# KiCad board PCB.kicad_pcb (continued)
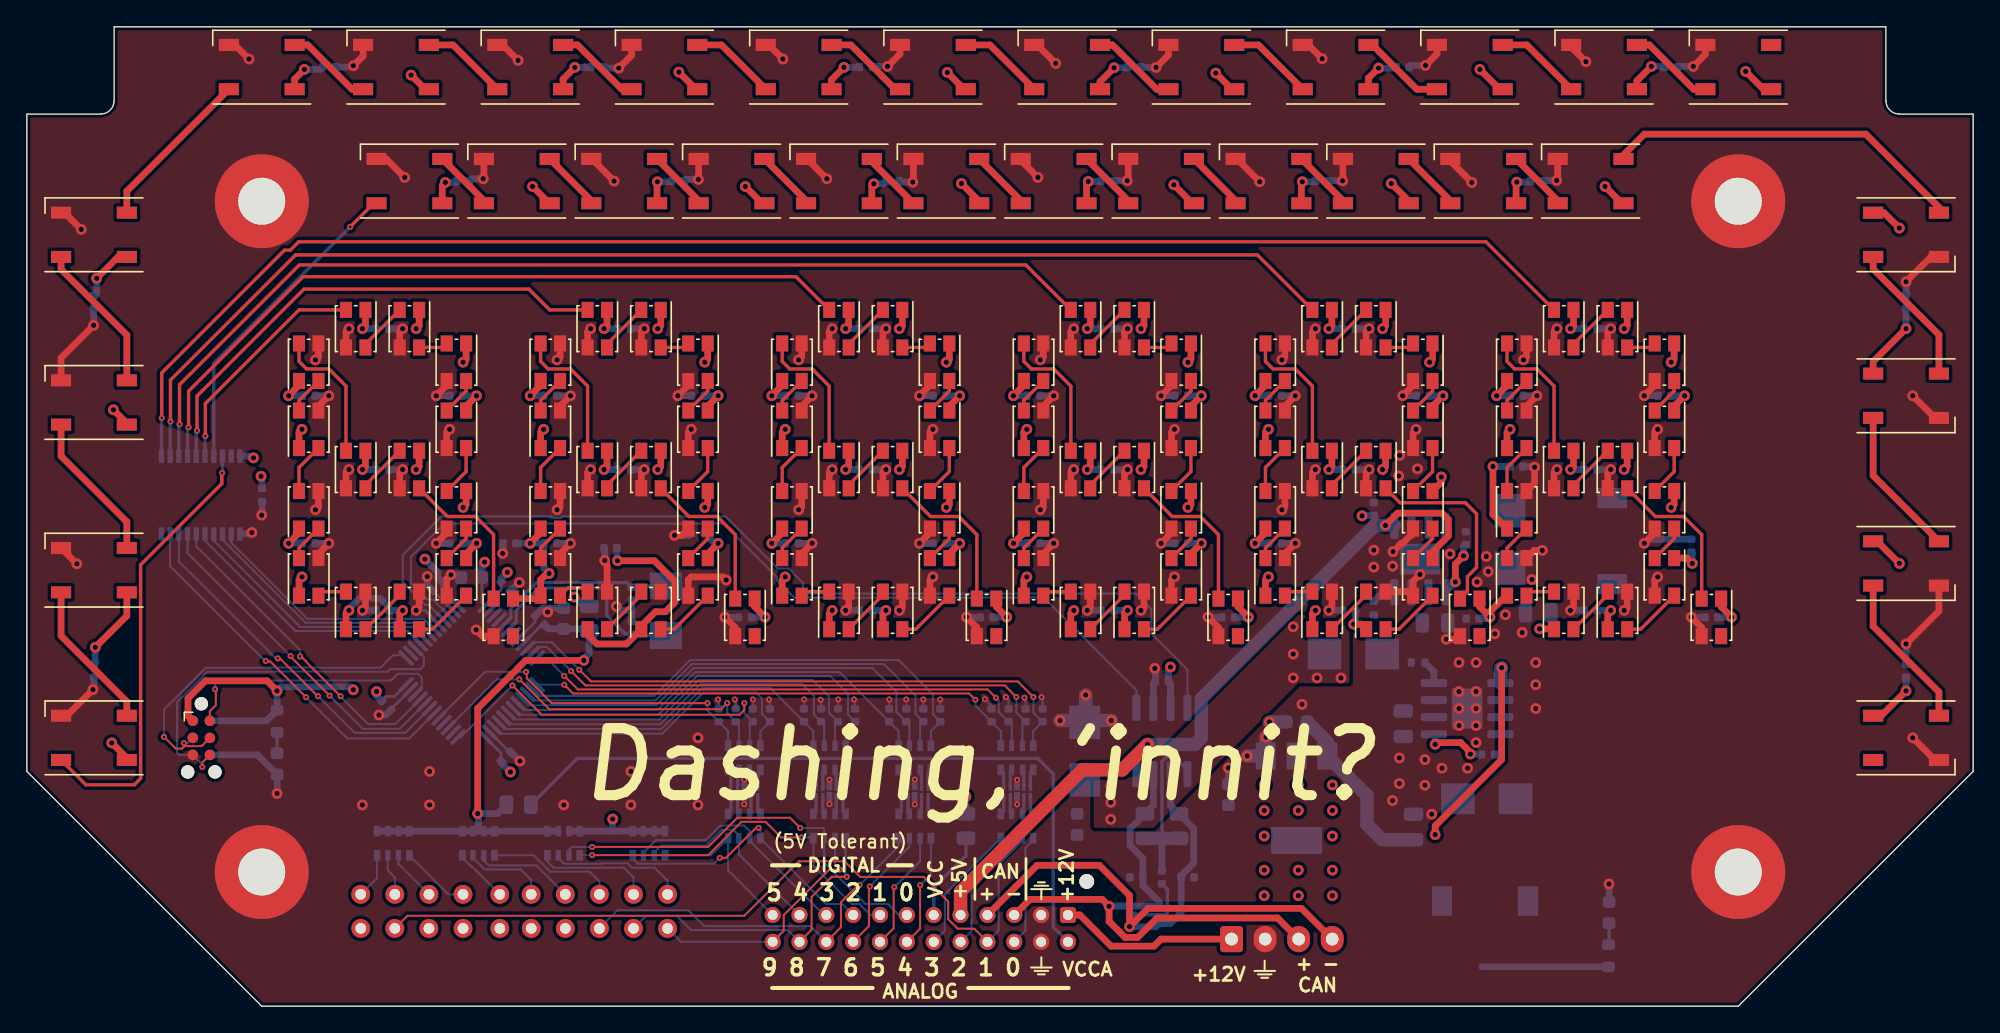
[diagram p0: board, top side]
## Routing (per net, layer and track width the routed paths; a pad name or vN(x,y) marks a point on that pad's centre or on a via; arc(x,y) is an arc through that point) (continued)
/IO/DIAL5_PIN: length 36.4
  Top w0.15: v2(64.63,8.87) 64.58,8.82 64.58,5.81 J2.16
  In2.Cu w0.15: J2.16 62.44,5.92 49.34,5.92 48.22,7.04 38.82,7.04 JP6.2
  Bottom w0.15: v2(64.63,8.87) 66.55,10.79 RN17.6
/IO/DIAL6_PIN: length 32.1
  Top w0.15: J2.18 62.74,5.97 62.74,8.86 v2(62.8,8.92)
  In2.Cu w0.15: JP7.2 41.04,6.72 48.12,6.72 49.22,5.62 60.74,5.62 J2.18
  Bottom w0.15: v2(62.8,8.92) 65.75,11.87 RN17.7
/IO/DIAL7_PIN: length 28.5
  Top w0.15: v2(62.04,9.02) 61.93,9.02 60.65,7.74 60.65,5.89 J2.20
  Bottom w0.15: RN17.8 64.95,11.94 v2(62.04,9.02) ; J2.20 58.39,5.97 50.46,5.97 49.28,7.14 44,7.14 JP8.2
/IO/DIAL8_PIN: length 23.4
  Top w0.15: v2(61.08,9.65) 59.97,9.65 58.46,8.14 58.46,5.7 J2.22
  Bottom w0.15: RN20.5 61,9.73 v2(61.08,9.65) ; J2.22 56.69,5.67 49.49,5.67 48.42,6.74 46.13,6.74 JP9.2
/IO/DIAL9_PIN: length 18.6
  Top w0.15: J2.24 56.39,5.62 56.39,6.79 59.78,10.18 v2(60.55,10.18)
  Bottom w0.15: JP10.2 48.73,4.8 J2.24 ; v2(60.55,10.18) 60.2,10.53 RN20.6
/Microcontroller/HSE_IN: length 15.9
  Bottom w0.25: 45.17,27.62 Y1.2 ; C15.1 44.61,27.72 43.21,29.12 43.21,30.9 42.93,31.17 38.15,31.17 36.46,29.49 36.46,28.64 U4.6
/Microcontroller/HSE_OUT: length 13.8
  Bottom w0.25: U4.5 36.06,28.95 36.06,29.65 37.99,31.58 44.71,31.58 C14.1 ; Y1.1 45.17,31.32
/WS2812/Digit 0/DP: length 11.8
  Top w0.25: D67.4 34.77,30.39 34.77,32.82 34.78,32.82 34.78,33.38 34.77,33.39 34.77,35.16 33.42,36.5 31.33,36.5 D62.2
/WS2812/Digit 1/DP: length 11.7
  Top w0.25: D52.4 52.78,35.15 51.42,36.5 49.33,36.5 D47.2
/WS2812/Digit 2/DP: length 11.7
  Top w0.25: D82.4 70.78,35.15 69.43,36.5 67.32,36.5 D77.2
/WS2812/Digit 3/DP: length 11.7
  Top w0.25: D97.4 88.78,35.15 87.43,36.5 85.32,36.5 D92.2
/WS2812/Digit 4/DP: length 14.4
  Top w0.25: D107.2 102.3,37.53 107.18,37.53 108,36.7 108,32.7 107.32,32.03 107.32,30.93 D112.4
/WS2812/Digit 5/DP: length 11.7
  Top w0.25: D127.4 124.78,35.15 123.43,36.5 121.32,36.5 D122.2
/WS2812/Shift Lights/DATA_IN: length 12.3
  Top w0.5: D18.2 7.45,60.75 D26.4
/WS2812/Tachometer/DATA_OUT: length 27.1
  Top w0.5: D17.2 118.95,63.45 120.5,65 137,65 142.45,59.55 D22.4
BTN0: length 28.3
  Bottom w0.15: 36.01,21.02 47.19,21.02 50.17,24 57.77,24 58.63,23.14 58.63,21.74 C35.1 59.4,20.97 RN21.2
BTN1: length 26.6
  Bottom w0.15: 35.66,20.66 47.26,20.66 50.3,23.7 55.4,23.7 C34.1 58.6,20.5 RN21.1
BTN2: length 25
  Bottom w0.15: RN24.4 54.65,20.5 C41.1 54.77,21.79 54.77,22.92 54.29,23.4 50.42,23.4 47.33,20.31 35.3,20.31
BTN3: length 28
  Top w0.15: v2(53.45,22.59) 53.45,22.08 53.09,21.72 38.36,21.72 v2(36.18,23.91)
  Bottom w0.15: RN24.3 53.85,20.97 C40.1 53.45,21.84 v2(53.45,22.59) ; U4.25 32.34,20.07 v2(36.18,23.91)
BTN4: length 26.3
  Top w0.15: v2(52.18,22.59) 51.72,22.14 38.91,22.14 v2(36.69,24.36)
  Bottom w0.15: v2(52.18,22.59) 52.18,21.84 C39.1 53.05,20.97 RN24.2 ; 31.86,21.21 35.01,24.36 v2(36.69,24.36)
BTN5: length 26.4
  Top w0.15: v2(37.19,24.92) 37.24,24.87 37.24,24.44 39.1,22.59 v2(50.71,22.59)
  Bottom w0.15: RN24.1 52.25,20.5 C38.1 50.71,22.04 v2(50.71,22.59) ; v2(37.19,24.92) 34.15,24.92 30.72,21.49
CAN+: length 39.9
  Top w0.5: J2.5 74.73,7.96 80.12,7.96 v1(80.63,7.45) 80.63,6.32 81.82,5.12 82.75,5.12 84.2,6.57 93.18,6.57 J4.3
  Bottom w0.5: U5.7 83.93,14.96 R5.1 82.19,13.23 82.19,11.97 83.14,11.03 C16.2 83.14,9 84.34,7.8 D7.1 80.65,7.47 v1(80.63,7.45)
CAN-: length 47.7
  Top w0.5: J4.4 94.96,7.29 83.52,7.29 v1(82.15,5.92) 82.15,8.25 79.9,10.5 75.27,10.5 J2.7
  Bottom w0.5: U5.6 85.2,14.96 R6.2 86.94,13.23 86.94,10.67 85.99,9.72 C19.1 85.99,6.97 85.19,6.17 D7.2 84.1,5.92 v1(82.15,5.92)
CANRX: length 75.2
  Bottom w0.15: U5.4 86.47,25.08 83.78,27.77 83.78,29.61 82.63,30.75 57.81,30.75 57.81,31.57 56.76,32.62 55.94,32.62 52.05,36.51 39.89,36.51 39.76,36.38 39.24,36.38 39.11,36.51 30.89,36.51 28,33.62 28,31.6 29.7,29.9 29.95,29.9 U4.45
CANTX: length 67.4
  Bottom w0.15: U4.46 30.25,30.31 29.83,30.31 28.61,31.53 28.61,33.49 31.09,35.97 51.89,35.97 55.88,31.98 55.88,31.74 57.17,30.45 75.78,30.45 82.66,23.56 U5.1
DIAL0: length 43.1
  Top w0.15: v2(41.16,25.08) 42.02,24.21 73.82,24.21 v2(74.99,23.04)
  Bottom w0.15: 37.78,27.13 39.1,27.13 v2(41.16,25.08) ; RN15.4 74.97,20.5 C29.1 74.99,21.89 v2(74.99,23.04)
DIAL1: length 41.2
  Top w0.15: v2(40.55,24.97) 41.61,23.91 72.85,23.91 v2(73.72,23.04)
  Bottom w0.15: v2(73.72,23.04) 73.72,21.89 C28.1 74.17,20.97 RN15.3 ; v2(40.55,24.97) 38.74,26.78 38.13,26.78
DIAL2: length 39.5
  Top w0.15: v2(72.2,22.99) 71.58,23.61 41.05,23.61 v2(40.04,24.62)
  Bottom w0.15: v2(72.2,22.99) 72.4,22.79 72.4,21.94 C27.1 73.37,20.97 RN15.2 ; U4.12 38.7,25.96 v2(40.04,24.62)
DIAL3: length 37.3
  Top w0.15: v2(70.67,22.84) 70.2,23.31 40.69,23.31 v2(40.04,23.96)
  Bottom w0.15: v2(70.67,22.84) 70.67,22.4 C26.1 72.57,20.5 RN15.1 ; U4.13 v2(40.04,23.96)
DIAL4: length 35.9
  Bottom w0.15: RN18.4 67.35,20.5 C33.1 67.52,21.74 67.52,23.23 64.95,25.8 49.42,25.8 46.76,23.14 38.13,23.14
DIAL5: length 34.6
  Bottom w0.15: RN18.3 66.55,20.97 C32.1 66.2,21.79 66.2,23.15 63.85,25.5 49.54,25.5 46.83,22.78 37.78,22.78
DIAL6: length 33.7
  Bottom w0.15: RN18.2 65.75,20.97 C31.1 64.78,21.94 64.78,23.42 63,25.2 49.67,25.2 46.9,22.43 37.43,22.43
DIAL7: length 32
  Bottom w0.15: 37.07,22.08 46.97,22.08 49.79,24.9 60.55,24.9 C30.1 64.95,20.5 RN18.1
DIAL8: length 30.6
  Bottom w0.15: RN21.4 61,20.5 C37.1 61.17,21.74 61.17,23.29 59.86,24.6 49.92,24.6 47.04,21.72 36.72,21.72
DIAL9: length 29.2
  Bottom w0.15: RN21.3 60.2,20.97 C36.1 59.75,21.89 59.75,23.11 58.56,24.3 50.04,24.3 47.11,21.37 36.36,21.37
LED_DATA_0: length 33.4
  Top w0.25: D21.4 4.4,16.5 8,16.5 8.47,16.97 8.47,32.9 14.53,38.95 14.53,39.72 v2(14.55,39.75)
  Bottom w0.25: U3.18 14.58,39.78 v2(14.55,39.75)
LED_DATA_1: length 24
  Top w0.25: D3.4 25.85,59.85 v2(24.09,58.09)
  Bottom w0.25: v2(24.09,58.09) 13.92,47.92 U3.17
LED_DATA_2: length 17.3
  Top w0.25: v2(13.3,42.5) 13.3,44.92 20.28,51.9 D57.4
  Bottom w0.25: v2(13.3,42.5) 13.28,42.47 U3.16
LED_DATA_3: length 37.5
  Top w0.25: D42.4 38.95,51.9 37.4,53.45 20.65,53.45 12.67,45.47 v2(12.67,42.9)
  Bottom w0.25: U3.15 12.62,42.85 v2(12.67,42.9)
LED_DATA_3V3_0: length 18.5
  Bottom w0.15: 15.22,35.2 15.22,34.55 20.9,28.88 29.57,28.88 U4.43
LED_DATA_3V3_1: length 18.8
  Bottom w0.15: U4.42 29.16,28.58 20.78,28.58 14.58,34.78 U3.3
LED_DATA_3V3_2: length 19.3
  Bottom w0.15: U4.41 28.75,28.28 20.35,28.28 13.92,34.7 U3.4
LED_DATA_3V3_3: length 19.7
  Bottom w0.15: U4.40 28.34,27.97 20,27.97 13.28,34.7 U3.5
LED_DATA_3V3_4: length 24.2
  Top w0.15: v2(20.35,26.08) 20.42,26.08 20.8,25.7 20.8,25.67 v2(23.38,23.1)
  Bottom w0.15: U4.33 29.3,22.88 27.45,21.03 25.42,21.03 23.38,23.08 v2(23.38,23.1) ; U3.6 12.62,34.28 20.35,26.55 v2(20.35,26.08)
LED_DATA_3V3_5: length 25.4
  Top w0.15: v2(19.65,26.1) 19.65,26.03 19.7,25.97 19.72,25.97 v2(22.55,23.15)
  Bottom w0.15: v2(22.55,23.15) 25.03,20.67 27.79,20.67 U4.32 ; v2(19.65,26.1) 11.97,33.78 U3.7
LED_DATA_3V3_6: length 26.8
  Top w0.15: v2(21.7,23.1) 21.67,23.1 18.85,25.92 v2(18.7,25.92)
  Bottom w0.15: U3.8 11.33,33.15 18.55,25.92 v2(18.7,25.92) ; U4.31 28.19,20.38 24.42,20.38 v2(21.7,23.1)
LED_DATA_3V3_7: length 28.2
  Top w0.15: v2(17.8,25.72) 17.83,25.7 18.12,25.7 v2(20.8,23.03)
  Bottom w0.15: v2(20.8,23.03) 23.88,19.95 28.48,19.95 U4.30 ; v2(17.8,25.72) 17.75,25.72 10.67,32.8 U3.9
LED_DATA_4: length 57.2
  Top w0.25: D72.4 57.3,54.38 20.58,54.38 12.05,45.85 v2(12.05,43.15)
  Bottom w0.25: U3.14 11.97,43.08 v2(12.05,43.15)
LED_DATA_5: length 76.8
  Top w0.25: D87.4 74.43,55.25 20.3,55.25 11.38,46.33 v2(11.38,43.38)
  Bottom w0.25: v2(11.38,43.38) 11.33,43.33 U3.13
LED_DATA_6: length 96.3
  Top w0.25: v2(10.7,43.58) 10.7,46.67 20.03,56 91.68,56 D102.4
  Bottom w0.25: v2(10.7,43.58) 10.67,43.55 U3.12
LED_DATA_7: length 116.1
  Top w0.25: D117.4 108.7,56.97 20.25,56.97 19.62,56.35 19.19,56.35 10.05,47.21 v2(10.05,43.85)
  Bottom w0.25: v2(10.05,43.85) 10.03,43.83 U3.11
SWCLK: length 26.7
  Top w0.15: v2(11.7,19.61) 11.73,19.58 11.73,19.38 ; 11.73,19.38 11.55,19.2 11.1,19.2 v2(10.22,20.08) ; 11.73,19.38 13.02,19.38 J1.4
  Bottom w0.15: v2(10.22,20.08) 10.22,22.12 13.33,25.23 26.35,25.23 27.27,26.15 28.05,26.15 ; v2(11.7,19.61) 11.98,19.61 J3.4
SWDIO: length 24
  Top w0.15: v2(14.03,23.62) 14.08,23.58 14.08,22.42 13.64,21.98 J1.2
  Bottom w0.15: v2(14.03,23.62) 14.03,24.28 ; 14.03,24.28 13.57,24.28 11.97,22.67 11.97,21.66 J3.2 ; 14.03,24.28 27.13,24.28 27.63,24.78 29.14,24.78 29.42,24.5 29.42,23.72
SWO: length 28.4
  Top w0.15: J1.6 13.08,18.17 v2(13.08,17.83)
  Bottom w0.15: v2(13.08,17.83) 13.08,18.02 J3.6 11.34,18.73 11.2,18.88 11.2,22.67 13.46,24.93 26.87,24.93 27.06,25.12 29.31,25.12 29.57,25.38 29.57,26.04 U4.39
Net-(C18-Pad1): length 5
  Bottom w0.25: D7.3 84.81,6.82 84.97,6.97 84.97,8.73 C18.1
Net-(C18-Pad2): length 13.2
  Bottom w0.25: 84.67,12.5 84.56,12.61 84.56,18.23 84.87,18.54 85.53,18.54 86.47,17.6
  Bottom w0.5: C18.2 84.56,12.4 84.67,12.5
  Bottom w1: R6.1 R5.2
Net-(C98-Pad1): length 4.7
  Top w0.5: v1(107.54,18.79) 107.54,18.93 106.82,19.64 105.05,19.64 v1(104.92,19.52)
  Bottom w0.5: C98.1 108.34,18.79 v1(107.54,18.79) ; v1(104.92,19.52) 104.92,20.22 104.86,20.28
Net-(C101-Pad1): length 4.2
  Top w0.5: v1(106.42,31.62) 106.42,32.96 v1(107.03,33.57)
  Bottom w0.5: v1(106.42,31.62) 105.68,30.89 ; v1(107.03,33.57) 107.03,34.23 C101.1
Net-(D1-Pad2):
  vias: v1(80.75,16.47) v1(80.75,15.19) v1(80.75,13.92) v1(94.34,28.28) v1(94.34,26.24) v1(94.34,24.47) v1(96.12,24.47) v1(97.9,24.47)
Net-(D3-Pad2): length 4.6
  Top w0.5: D4.4 34.05,60.05 D3.2
Net-(D4-Pad2): length 4.6
  Top w0.5: D4.2 42.05,60.05 D8.4
Net-(D5-Pad2): length 1.6
  Bottom w0.25: R3.2 117.87,4.62 D5.2
Net-(D6-Pad2): length 1.6
  Bottom w0.25: D6.2 R4.2
Net-(D8-Pad2): length 4.6
  Top w0.5: D9.4 50.05,60.05 D8.2
Net-(D10-Pad2): length 4.6
  Top w0.5: D10.2 62.95,62.95 D11.4
Net-(D10-Pad4): length 4.6
  Top w0.5: D10.4 58.05,60.05 D9.2
Net-(D11-Pad2): length 4.6
  Top w0.5: D11.2 74.05,60.05 D12.4
Net-(D12-Pad2): length 4.6
  Top w0.5: D13.4 82.05,60.05 D12.2
Net-(D13-Pad2): length 4.6
  Top w0.5: D13.2 90.05,60.05 D14.4
Net-(D14-Pad2): length 4.6
  Top w0.5: D14.2 98.05,60.05 D15.4
Net-(D15-Pad2): length 4.6
  Top w0.5: D16.4 106.05,60.05 D15.2
Net-(D16-Pad2): length 4.6
  Top w0.5: D17.4 114.05,60.05 D16.2
Net-(D18-Pad4): length 11.2
  Top w0.5: D19.2 7.45,50.03 2.55,54.92 D18.4
Net-(D19-Pad4): length 11.2
  Top w0.5: D19.4 2.55,41 7.45,36.1 D20.2
Net-(D20-Pad4): length 11.2
  Top w0.5: D20.4 2.55,27.6 7.45,22.7 D21.2
Net-(D22-Pad2): length 10.7
  Top w0.5: D22.2 137.55,54.95 142.45,50.05 DD23.4
Net-(D24-Pad2): length 11.7
  Top w0.5: D24.2 137.55,28.32 142.45,23.42 D25.4
Net-(D24-Pad4): length 11.2
  Top w0.5: D24.4 137.55,39.55 DD23.2
Net-(D26-Pad2): length 6.5
  Top w0.5: D26.2 20.92,71.65 24.22,68.35 D27.4
Net-(D27-Pad2): length 6.5
  Top w0.5: D27.2 31.75,71.65 D28.4
Net-(D28-Pad2): length 6.5
  Top w0.5: D28.2 41.03,71.65 44.33,68.35 D29.4
Net-(D29-Pad2): length 6.5
  Top w0.5: D29.2 51.75,71.65 D30.4
Net-(D30-Pad2): length 6.5
  Top w0.5: D30.2 61.39,71.65 64.69,68.35 D31.4
Net-(D31-Pad2): length 6.5
  Top w0.5: D31.2 71.75,71.65 D32.4
Net-(D32-Pad2): length 6.5
  Top w0.5: D33.4 84.18,68.35 80.88,71.65 D32.2
Net-(D33-Pad2): length 6.5
  Top w0.5: D34.4 91.75,71.65 D33.2
Net-(D34-Pad2): length 6.5
  Top w0.5: D34.2 100.25,71.65 103.55,68.35 D35.4
Net-(D35-Pad2): length 6.5
  Top w0.5: D35.2 111.75,71.65 D36.4
Net-(D36-Pad2): length 6.5
  Top w0.5: D37.4 124.18,68.35 120.88,71.65 D36.2
Net-(D38-Pad2): length 10.4
  Top w0.25: D44.4 41.78,46.22 40.5,47.5 38.84,47.5 38.28,48.06 D38.2
Net-(D38-Pad4): length 2.8
  Top w0.25: D38.4 38.28,45.15 D39.2
Net-(D39-Pad4): length 3.8
  Top w0.25: D39.4 38.28,40.15 D40.2
Net-(D40-Pad4): length 2.8
  Top w0.25: D40.4 38.28,34.15 D41.2
Net-(D41-Pad4): length 2.5
  Top w0.25: 42,31.17 40.3,31.17 D41.4
Net-(D42-Pad2): length 3.9
  Top w0.25: D42.2 43.22,49.35 D45.4
Net-(D43-Pad4): length 3.9
  Top w0.25: D46.2 45.78,30.65 D43.4
Net-(D44-Pad2): length 3.9
  Top w0.25: D44.2 43.22,38.85 D47.4
Net-(D45-Pad2): length 2.2
  Top w0.25: D48.4 48.97,49.1 D45.2
Net-(D46-Pad4): length 4.5
  Top w0.25: D46.4 48.22,28.1 D51.2
Net-(D48-Pad2): length 2.8
  Top w0.25: D49.4 50.72,45.85 D48.2
Net-(D49-Pad2): length 3.8
  Top w0.25: D50.4 50.72,39.85 D49.2
Net-(D50-Pad2): length 2.8
  Top w0.25: D50.2 50.72,34.85 D51.4
Net-(D53-Pad2): length 10.4
  Top w0.25: D59.4 23.78,46.22 22.5,47.5 20.84,47.5 20.28,48.06 D53.2
Net-(D53-Pad4): length 2.8
  Top w0.25: D53.4 20.28,45.15 D54.2
Net-(D54-Pad4): length 3.8
  Top w0.25: D55.2 20.28,40.15 D54.4
Net-(D55-Pad4): length 2.8
  Top w0.25: D55.4 20.28,34.15 D56.2
Net-(D56-Pad4): length 2.2
  Top w0.25: D56.4 22.03,30.9 D58.2
Net-(D57-Pad2): length 3.9
  Top w0.25: D57.2 25.22,49.35 D60.4
Net-(D58-Pad4): length 3.9
  Top w0.25: D58.4 27.78,30.65 D61.2
Net-(D59-Pad2): length 3.9
  Top w0.25: D59.2 25.22,38.85 D62.4
Net-(D60-Pad2): length 2.2
  Top w0.25: D60.2 30.97,49.1 D63.4
Net-(D61-Pad4): length 4.5
  Top w0.25: D61.4 30.22,28.1 D66.2
Net-(D63-Pad2): length 2.8
  Top w0.25: D64.4 32.72,45.85 D63.2
Net-(D64-Pad2): length 3.8
  Top w0.25: D64.2 32.72,39.85 D65.4
Net-(D65-Pad2): length 2.8
  Top w0.25: D65.2 32.72,34.85 D66.4
Net-(D68-Pad2): length 10.4
  Top w0.25: D74.4 59.78,46.22 58.5,47.5 56.84,47.5 56.28,48.06 D68.2
Net-(D68-Pad4): length 2.8
  Top w0.25: D68.4 56.28,45.15 D69.2
Net-(D69-Pad4): length 3.8
  Top w0.25: D70.2 56.28,40.15 D69.4
Net-(D70-Pad4): length 2.8
  Top w0.25: D71.2 56.28,34.15 D70.4
Net-(D71-Pad4): length 2.2
  Top w0.25: D71.4 58.03,30.9 D73.2
Net-(D72-Pad2): length 3.9
  Top w0.25: D72.2 61.22,49.35 D75.4
Net-(D73-Pad4): length 3.9
  Top w0.25: D73.4 63.78,30.65 D76.2
Net-(D74-Pad2): length 3.9
  Top w0.25: D77.4 61.22,38.85 D74.2
Net-(D75-Pad2): length 2.2
  Top w0.25: D75.2 66.97,49.1 D78.4
Net-(D76-Pad4): length 4.5
  Top w0.25: D76.4 66.22,28.1 D81.2
Net-(D78-Pad2): length 2.8
  Top w0.25: D78.2 68.72,45.85 D79.4
Net-(D79-Pad2): length 3.8
  Top w0.25: D80.4 68.72,39.85 D79.2
Net-(D80-Pad2): length 2.8
  Top w0.25: D80.2 68.72,34.85 D81.4
Net-(D83-Pad2): length 10.4
  Top w0.25: D83.2 74.28,48.06 74.84,47.5 76.5,47.5 77.78,46.22 D89.4
Net-(D83-Pad4): length 2.8
  Top w0.25: D84.2 74.28,45.15 D83.4
Net-(D84-Pad4): length 3.8
  Top w0.25: D84.4 74.28,40.15 D85.2
Net-(D85-Pad4): length 2.8
  Top w0.25: D85.4 74.28,34.15 D86.2
Net-(D86-Pad4): length 2.2
  Top w0.25: D86.4 76.03,30.9 D88.2
Net-(D87-Pad2): length 3.9
  Top w0.25: D87.2 79.22,49.35 D90.4
Net-(D88-Pad4): length 3.9
  Top w0.25: D91.2 81.78,30.65 D88.4
Net-(D89-Pad2): length 3.9
  Top w0.25: D92.4 79.22,38.85 D89.2
Net-(D90-Pad2): length 2.2
  Top w0.25: D90.2 84.97,49.1 D93.4
Net-(D91-Pad4): length 4.5
  Top w0.25: D91.4 84.22,28.1 D96.2
Net-(D93-Pad2): length 2.8
  Top w0.25: D94.4 86.72,45.85 D93.2
Net-(D94-Pad2): length 3.8
  Top w0.25: D95.4 86.72,39.85 D94.2
Net-(D95-Pad2): length 2.8
  Top w0.25: D96.4 86.72,34.85 D95.2
Net-(D98-Pad4): length 2.8
  Top w0.25: D98.4 92.28,45.15 D99.2
Net-(D100-Pad2): length 3.8
  Top w0.25: D100.2 92.28,40.15 D99.4
Net-(D100-Pad4): length 2.8
  Top w0.25: D100.4 92.28,34.15 D101.2
Net-(D101-Pad4): length 2.2
  Top w0.25: D103.2 94.03,30.9 D101.4
Net-(D102-Pad2): length 3.9
  Top w0.25: D102.2 97.22,49.35 D105.4
Net-(D103-Pad4): length 3.9
  Top w0.25: D103.4 99.78,30.65 D106.2
Net-(D104-Pad2): length 3.9
  Top w0.25: D107.4 97.22,38.85 D104.2
Net-(D104-Pad4): length 10.4
  Top w0.25: D98.2 92.28,48.06 92.84,47.5 94.5,47.5 95.78,46.22 D104.4
Net-(D105-Pad2): length 2.2
  Top w0.25: D105.2 102.97,49.1 D108.4
Net-(D106-Pad4): length 4.5
  Top w0.25: D111.2 102.22,28.1 D106.4
Net-(D108-Pad2): length 2.8
  Top w0.25: D109.4 104.72,45.85 D108.2
Net-(D109-Pad2): length 3.8
  Top w0.25: D110.4 104.72,39.85 D109.2
Net-(D110-Pad2): length 2.8
  Top w0.25: D110.2 104.72,34.85 D111.4
Net-(D113-Pad2): length 10.4
  Top w0.25: D119.4 113.78,46.22 112.5,47.5 110.84,47.5 110.28,48.06 D113.2
Net-(D113-Pad4): length 2.8
  Top w0.25: D113.4 110.28,45.15 D114.2
Net-(D114-Pad4): length 3.8
  Top w0.25: D114.4 110.28,40.15 D115.2
Net-(D115-Pad4): length 2.8
  Top w0.25: D116.2 110.28,34.15 D115.4
Net-(D116-Pad4): length 2.2
  Top w0.25: D116.4 112.03,30.9 D118.2
Net-(D117-Pad2): length 3.9
  Top w0.25: D117.2 115.22,49.35 D120.4
Net-(D118-Pad4): length 3.9
  Top w0.25: D118.4 117.78,30.65 D121.2
Net-(D119-Pad2): length 3.9
  Top w0.25: D119.2 115.22,38.85 D122.4
Net-(D120-Pad2): length 2.2
  Top w0.25: D120.2 120.97,49.1 D123.4
Net-(D121-Pad4): length 4.5
  Top w0.25: D126.2 120.22,28.1 D121.4
Net-(D123-Pad2): length 2.8
  Top w0.25: D124.4 122.72,45.85 D123.2
Net-(D124-Pad2): length 3.8
  Top w0.25: D125.4 122.72,39.85 D124.2
Net-(D125-Pad2): length 2.8
  Top w0.25: D126.4 122.72,34.85 D125.2
Net-(J2-Pad2): length 53.8
  Bottom w0.25: R8.2 41,18.47 75.31,18.47 76.47,17.31 76.47,5.89 J2.2
Net-(J2-Pad11): length 6.7
  Bottom w0.25: J2.11 67.56,8.83 69.96,11.23 R7.2
Net-(JP1-Pad1): length 3.4
  Bottom w0.15: RN13.4 26.09,9.55 JP1.1
Net-(JP2-Pad1): length 3.1
  Bottom w0.15: RN13.3 26.89,10.13 27.42,9.61 JP2.1
Net-(JP3-Pad1): length 3.8
  Bottom w0.15: JP3.1 27.69,10.6 RN13.2
Net-(JP4-Pad1): length 5.2
  Bottom w0.15: RN13.1 31.4,8.34 JP4.1
Net-(JP5-Pad1): length 3.9
  Bottom w0.15: JP5.1 33.18,10.39 33.13,10.39 32.44,11.09
Net-(JP6-Pad1): length 6.1
  Bottom w0.15: 33.24,11.05 34.09,10.2 36.78,10.2 37.58,9.4 JP6.1
Net-(JP7-Pad1): length 7.5
  Bottom w0.15: JP7.1 37.96,10.5 34.4,10.5 34.04,10.86 RN16.2
Net-(JP8-Pad1): length 9.6
  Bottom w0.15: RN16.1 37.76,11.25 38.99,10.02 41.94,10.02 42.66,9.3 JP8.1
Net-(JP9-Pad1): length 8.6
  Bottom w0.15: RN19.4 38.79,10.78 39.25,10.32 44.44,10.32 44.46,10.34 45.19,9.61 JP9.1
Net-(JP10-Pad1): length 9.9
  Bottom w0.15: 39.59,11.05 40.01,10.62 42.91,10.62 42.93,10.65 44.76,10.65 45.09,10.32 46.77,10.32 47.73,9.35 JP10.1
Net-(R1-Pad2): length 1.8
  Bottom w0.5: U2.4 104.83,24.95 R1.2
Net-(R2-Pad2): length 1.8
  Bottom w0.5: R2.2 101.01,30.85 U6.4
Net-(RN14-Pad1): length 1.3
  Bottom w0.25: U17.5 72.77,14.53 RN14.1
Net-(RN14-Pad2): length 1.3
  Bottom w0.25: RN14.2 73.27,14.43 U17.4
Net-(RN14-Pad3): length 1.3
  Bottom w0.25: U17.2 74.27,14.43 RN14.3
Net-(RN14-Pad4): length 1.3
  Bottom w0.25: U17.1 74.77,14.53 RN14.4
Net-(RN15-Pad5): length 1.3
  Bottom w0.25: RN15.5 74.77,17.41 U17.10
Net-(RN15-Pad6): length 1.3
  Bottom w0.25: RN15.6 74.27,17.51 U17.9
Net-(RN15-Pad7): length 1.3
  Bottom w0.25: U17.7 73.27,17.51 RN15.7
Net-(RN15-Pad8): length 1.3
  Bottom w0.25: U17.6 72.77,17.41 RN15.8
Net-(RN17-Pad1): length 1.3
  Bottom w0.25: RN17.1 65.15,14.53 U18.5
Net-(RN17-Pad2): length 1.3
  Bottom w0.25: RN17.2 65.65,14.43 U18.4
Net-(RN17-Pad3): length 1.3
  Bottom w0.25: RN17.3 66.65,14.43 U18.2
Net-(RN17-Pad4): length 1.3
  Bottom w0.25: RN17.4 67.15,14.53 U18.1
Net-(RN18-Pad5): length 1.3
  Bottom w0.25: U18.10 67.15,17.41 RN18.5
Net-(RN18-Pad6): length 1.3
  Bottom w0.25: RN18.6 66.65,17.51 U18.9
Net-(RN18-Pad7): length 1.3
  Bottom w0.25: U18.7 65.65,17.51 RN18.7
Net-(RN18-Pad8): length 1.3
  Bottom w0.25: RN18.8 65.15,17.41 U18.6
Net-(RN20-Pad1): length 1.3
  Bottom w0.25: RN20.1 58.8,14.53 U19.5
Net-(RN20-Pad2): length 1.3
  Bottom w0.25: U19.4 59.3,14.43 RN20.2
Net-(RN20-Pad3): length 1.3
  Bottom w0.25: U19.2 60.3,14.43 RN20.3
Net-(RN20-Pad4): length 1.3
  Bottom w0.25: U19.1 60.8,14.53 RN20.4
Net-(RN21-Pad5): length 1.3
  Bottom w0.25: RN21.5 60.8,17.41 U19.10
Net-(RN21-Pad6): length 1.3
  Bottom w0.25: RN21.6 60.3,17.51 U19.9
Net-(RN21-Pad7): length 1.3
  Bottom w0.25: RN21.7 59.3,17.51 U19.7
Net-(RN21-Pad8): length 1.3
  Bottom w0.25: U19.6 58.8,17.41 RN21.8
Net-(RN23-Pad1): length 1.3
  Bottom w0.25: U20.5 52.45,14.53 RN23.1
Net-(RN23-Pad2): length 1.3
  Bottom w0.25: U20.4 52.95,14.43 RN23.2
Net-(RN23-Pad3): length 1.3
  Bottom w0.25: U20.2 53.95,14.43 RN23.3
Net-(RN23-Pad4): length 1.3
  Bottom w0.25: U20.1 54.45,14.53 RN23.4
Net-(RN24-Pad5): length 1.3
  Bottom w0.25: U20.10 54.45,17.41 RN24.5
Net-(RN24-Pad6): length 1.3
  Bottom w0.25: U20.9 53.95,17.51 RN24.6
Net-(RN24-Pad7): length 1.3
  Bottom w0.25: RN24.7 52.95,17.51 U20.7
Net-(RN24-Pad8): length 1.3
  Bottom w0.25: U20.6 52.45,17.41 RN24.8

## Copper pours and planes (outline as drawn; the poured copper is in the pictures)
+3V3 on Bottom: 95.61,17.13 98.41,17.13 98.41,7.19 89.01,7.19 89.01,15.6 90.79,15.6 90.79,17.13 93.58,17.13 93.58,19.67 95.61,19.67
+3V3 on In2.Cu: 98.41,19.39 98.41,-6.52 23.48,-6.52 23.48,26.5 30.5,33.61 45.5,33.61 52.5,26.5 91.5,26.5
+5V on Bottom: 108.6,13.17 100.85,13.17 100.85,2.25 108.6,2.25
+5V on In2.Cu: 156.9,-15.92 -20.9,-15.92 -20.9,85.68 156.9,85.68
+5VE on Bottom: 112.79,34.63 112.79,26.88 123.72,26.88 123.72,34.63
+5VE on In2.Cu: 128.5,26.5 18.5,26.5 18.5,53.5 128.5,53.5
+12V on Bottom: 78.85,5.92 76.69,5.92 76.69,12.27 77.58,13.29 78.85,13.29
+12V_Fused on Bottom: 105.68,23.45 103.4,23.45 103.4,27.39 99.46,27.39 99.46,21.16 105.68,21.16
+12V_Fused on Bottom: 102.51,31.71 102.51,29.42 99.46,29.42 99.46,26.88 104.81,26.88 104.81,31.71
GND on Top, Bottom, In1.Cu: 158.86,-15.92 -18.94,-15.92 -18.94,85.68 158.86,85.68
GND on Bottom: 105.11,34.63 105.11,41.61 99.33,41.61 99.33,37.3 103.52,37.3 103.52,34.63 99.33,34.63 99.33,32.09 105.29,32.09 105.29,26.88 112.34,26.88 112.34,34.63
GND on Bottom: 108.6,20.85 115.59,20.85 115.59,26.63 111.27,26.63 111.27,22.44 108.6,22.44 108.6,26.63 106.06,26.63 106.06,20.67 100.85,20.67 100.85,13.62 108.6,13.62
Net-(C98-Pad2) on Bottom: 115.59,20.53 109.03,20.53 109.03,2.25 115.59,2.25
Net-(C101-Pad2) on Bottom: 105.43,39.99 105.43,35.06 123.72,35.06 123.72,39.99
Net-(D1-Pad2) on Top: 98.53,24.08 94.72,24.08 83.93,13.29 79.49,13.29 79.49,17.1 82.66,17.1 94.72,29.17 98.53,29.17
Net-(D1-Pad2) on Bottom: 98.66,23.96 93.84,23.96 93.84,28.78 98.66,28.78
Net-(D1-Pad2) on Bottom: 82.31,18.37 82.31,14.06 81.3,13.04 79.65,13.04 79.01,13.67 76.98,13.67 76.98,18.5 77.23,18.75 81.93,18.75

## Text on the board
B.Silkscreen: *Warranty void if exposed to air | ANALOG PULLUP | REV.1 | 9 8 7 6 5 4 3 2 1 0 | Bronco Racing / Dashboard | Jack LeFevre / October 2022
F.Silkscreen: (5V Tolerant) | DIGITAL | ANALOG | CAN / + - | VCCA | +12V | + - / CAN | VCC | +5V | 5 4 3 2 1 0 | 9 8 7 6 5 4 3 2 1 0 | Dashing, 'innit?
